# KiCad board SparkFun_RTK_mosaic-T_panelized.kicad_pcb (continued)
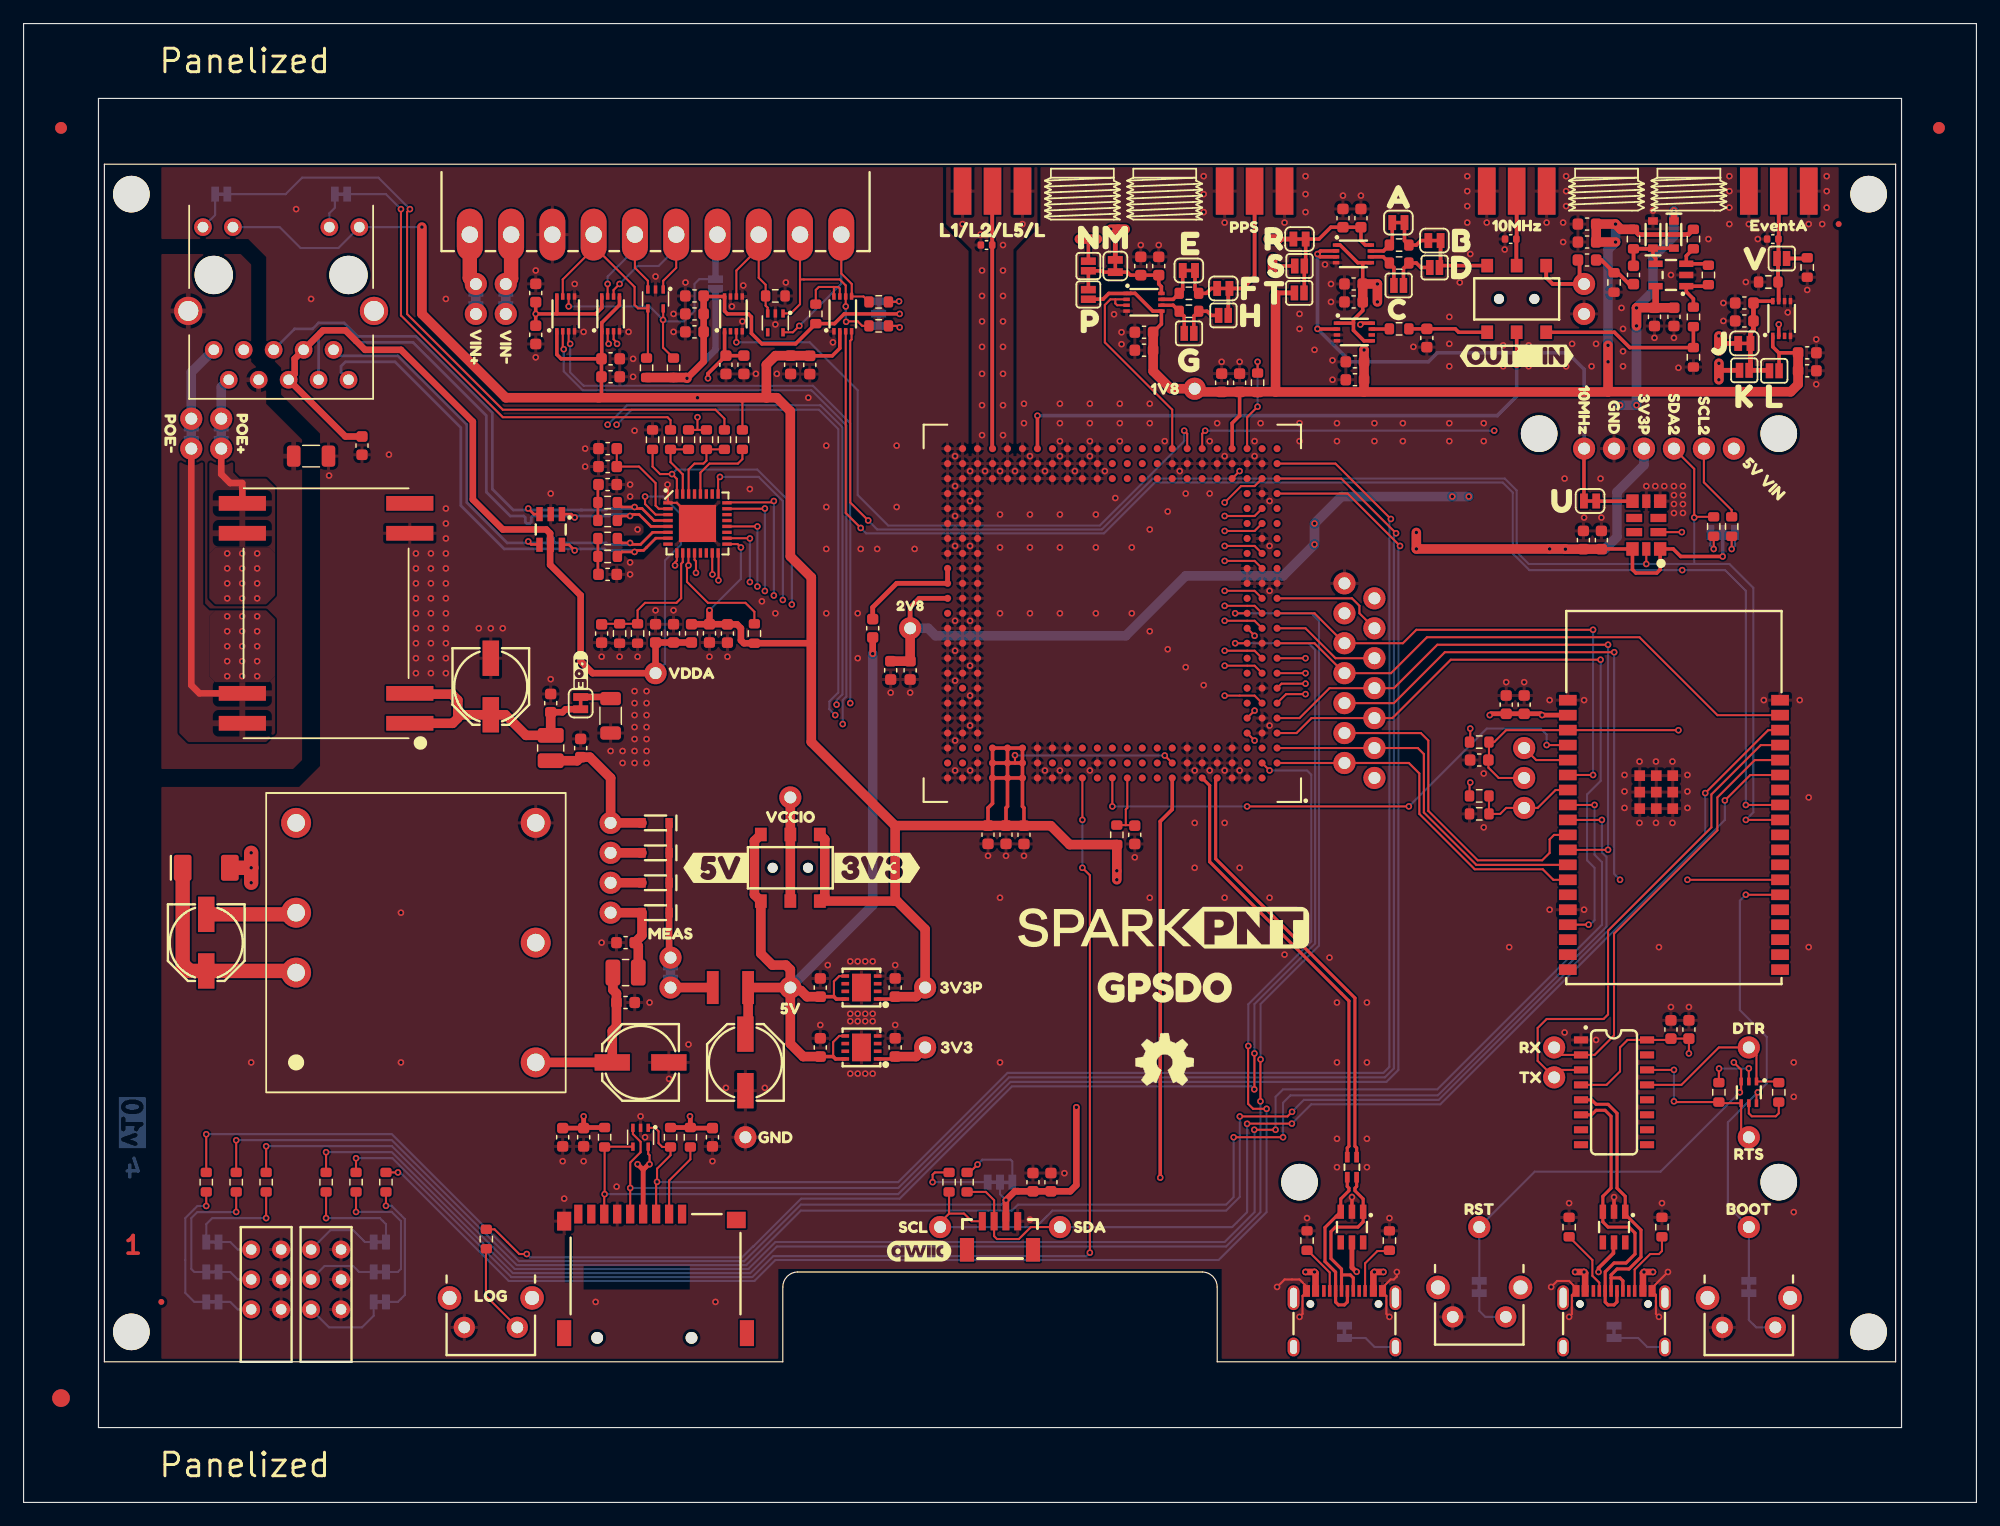
[diagram p0: board, top side]
## Routing (per net, layer and track width the routed paths; a pad name or vN(x,y) marks a point on that pad's centre or on a via; arc(x,y) is an arc through that point) (continued)
Net-(U17--): length 6.3
  Top w0.305: U17.4 138.4,105.56 138.17,105.78 D18.C D16.A
  Top w0.33: D18.C 138.12,106.36 R56.2 C76.2
Net-(U18-EN): length 4.9
  Top w0.178: U18.7 69.22,102.99 69.08,103.12 68.7,103.12 ; 68.7,103.12 68.72,103.1 U18.8 ; 68.7,103.12 67.43,103.12 67.18,102.86 R53.1
Net-(U.1-A): length 3.1
  Top w0.305: U.1.1 133.37,84.94 U13.6 136.42,84.95
Net-(V.1-A): length 1.8
  Top w0.33: R47.2 151.19,105.53 V.1.1

## Copper pours and planes (outline as drawn; the poured copper is in the pictures)
GND on Top, Bottom, In1.Cu, In2.Cu: 101.6,12.18 101.6,19.8 64,19.8 64,12.18 11.68,12.18 11.68,60.7 23.36,60.7 25.14,62.48 25.14,90.67 21.84,93.97 21.84,96.26 20.57,97.53 20.57,105.66 19.05,107.18 11.68,107.18 11.68,113.28 153.92,113.28 153.92,12.18
GND-ISO on Top, Bottom, In1.Cu, In2.Cu: 11.68,105.91 18.41,105.91 19.3,105.02 19.3,96.77 20.57,95.5 20.57,93.21 23.62,90.16 23.62,62.98 22.86,62.22 11.68,62.22
VIN+ on Top: 15.74,89.65 17.78,89.65 17.78,87.37 18.28,86.86 20.57,86.86 21.33,86.1 21.33,76.95 20.57,76.19 16.25,76.19 15.74,76.7
VIN+ on Top, Bottom, In1.Cu, In2.Cu: 15.74,76.7 15.74,80.51 16.25,81.02 20.82,81.02 21.33,80.51 21.33,76.95 20.57,76.19 16.25,76.19
VIN- on Top: 15.24,89.4 15.24,76.19 15.74,75.68 20.57,75.68 21.33,74.92 21.33,65.27 20.57,64.51 13.97,64.51 13.2,65.27 13.2,89.4
VIN- on Top, Bottom, In1.Cu, In2.Cu: 20.57,75.68 21.33,74.92 21.33,70.1 20.82,69.59 16.25,69.59 15.74,70.1 15.74,75.18 16.25,75.68

## Text on the board
Bottom: 4 | v10
User.Comments: ROUTE OUT | V-SCORE
User.Drawings: V-Score To V-Score
Top: 1
F.Fab: P.C. | Controlled Impedance: JLC7628 | Solder Mask: Red | Silkscreen: White | Layers: 4 | Finish: ENIG | Thickness: 1.6mm | No Clean Process | Material: TG155 | Copper Weight: 1oz
F.Silkscreen: Panelized
In1.Cu: 2
In2.Cu: 3
